# Altium PCB motor_driver_and_wireless_power_PCB.PcbDoc
Units mil, origin at the board's own origin, x right, y up, seen from the top; angles counter-clockwise.
Board outline 1758.94 x 1540 mil, 2 copper layers (Top Layer, Bottom Layer); 37 components, 25 nets, 119 pads, 12 vias.
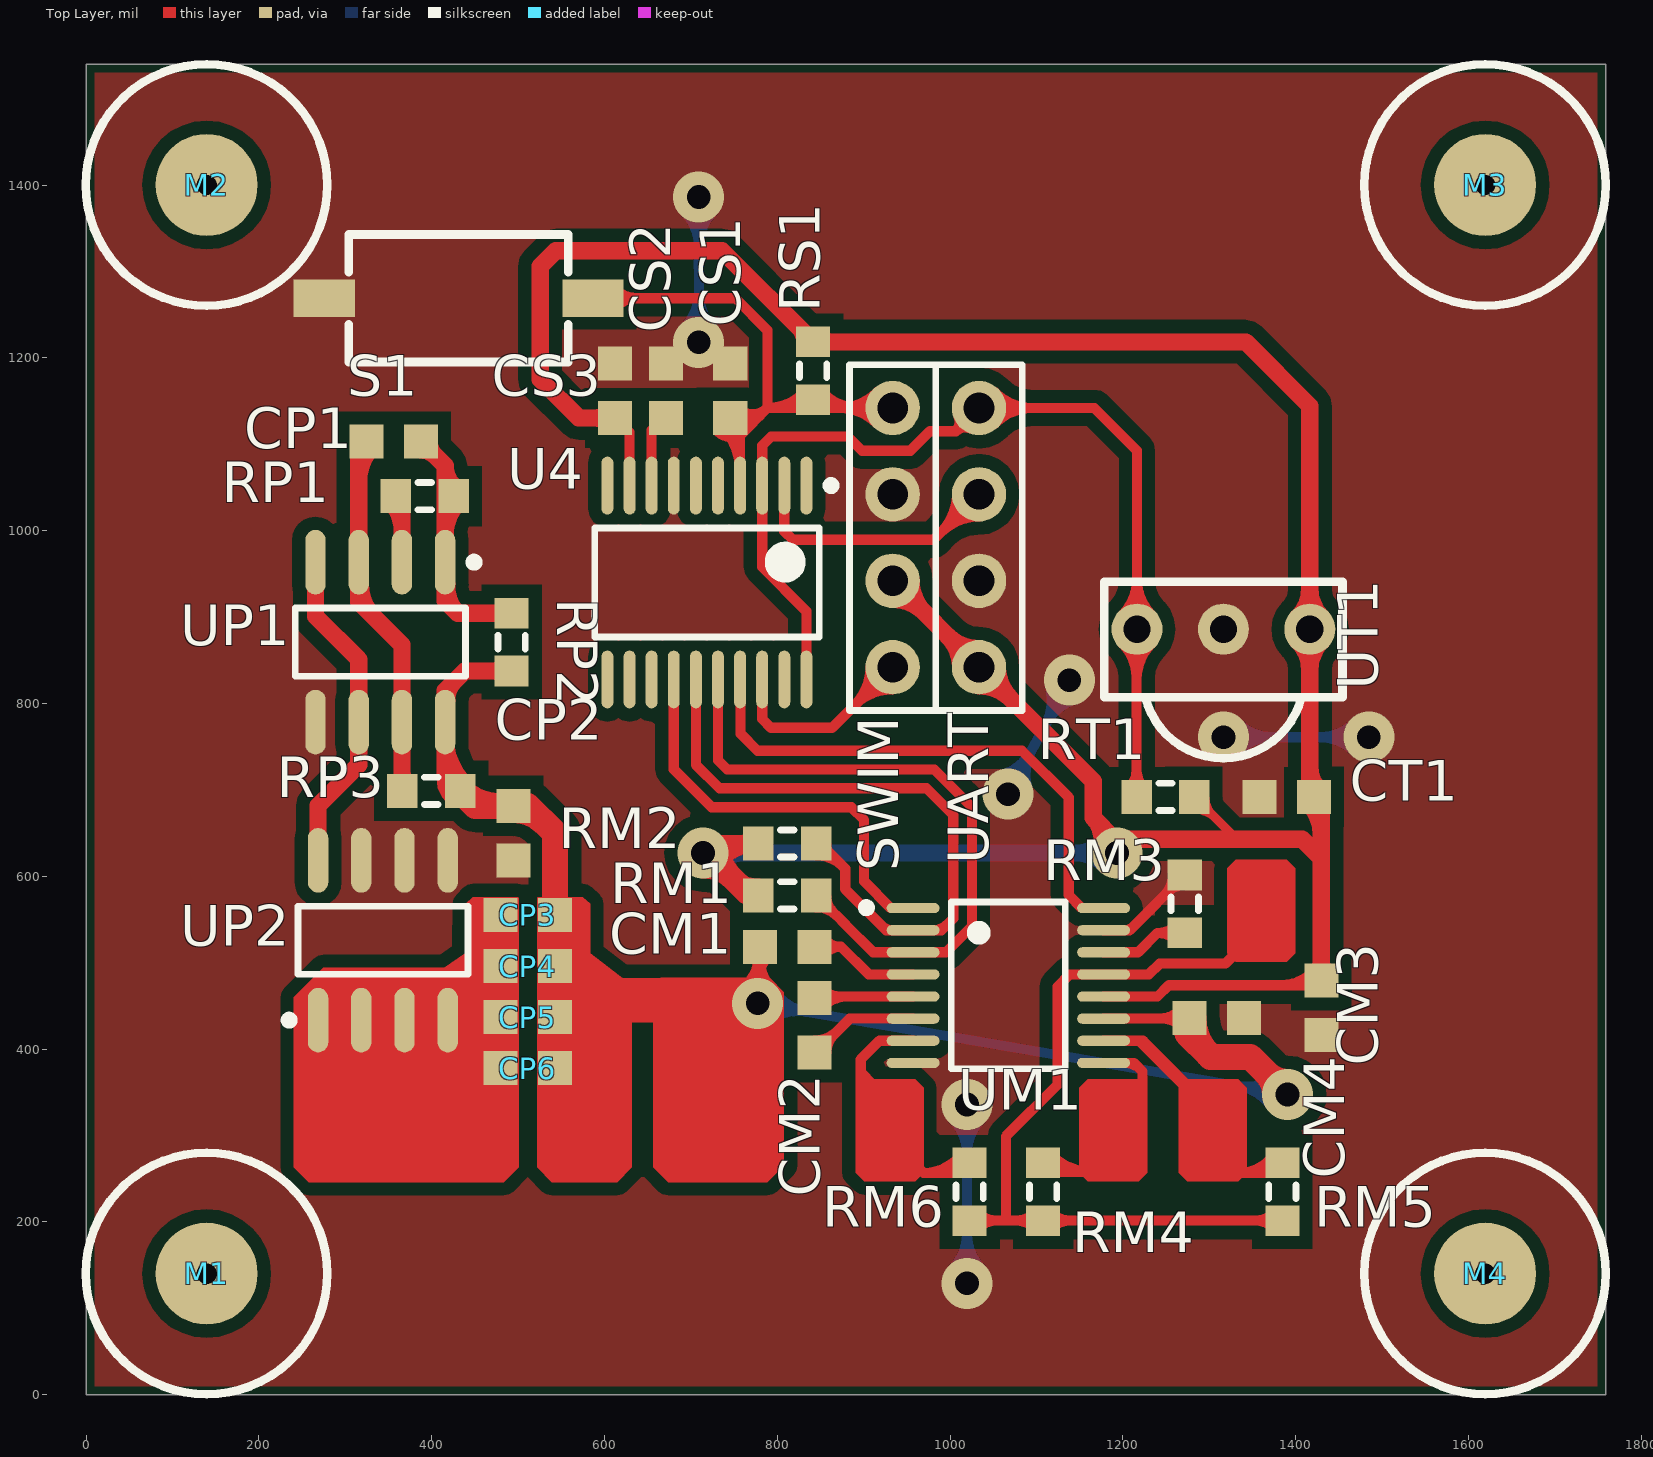
[diagram p0: Top Layer view]
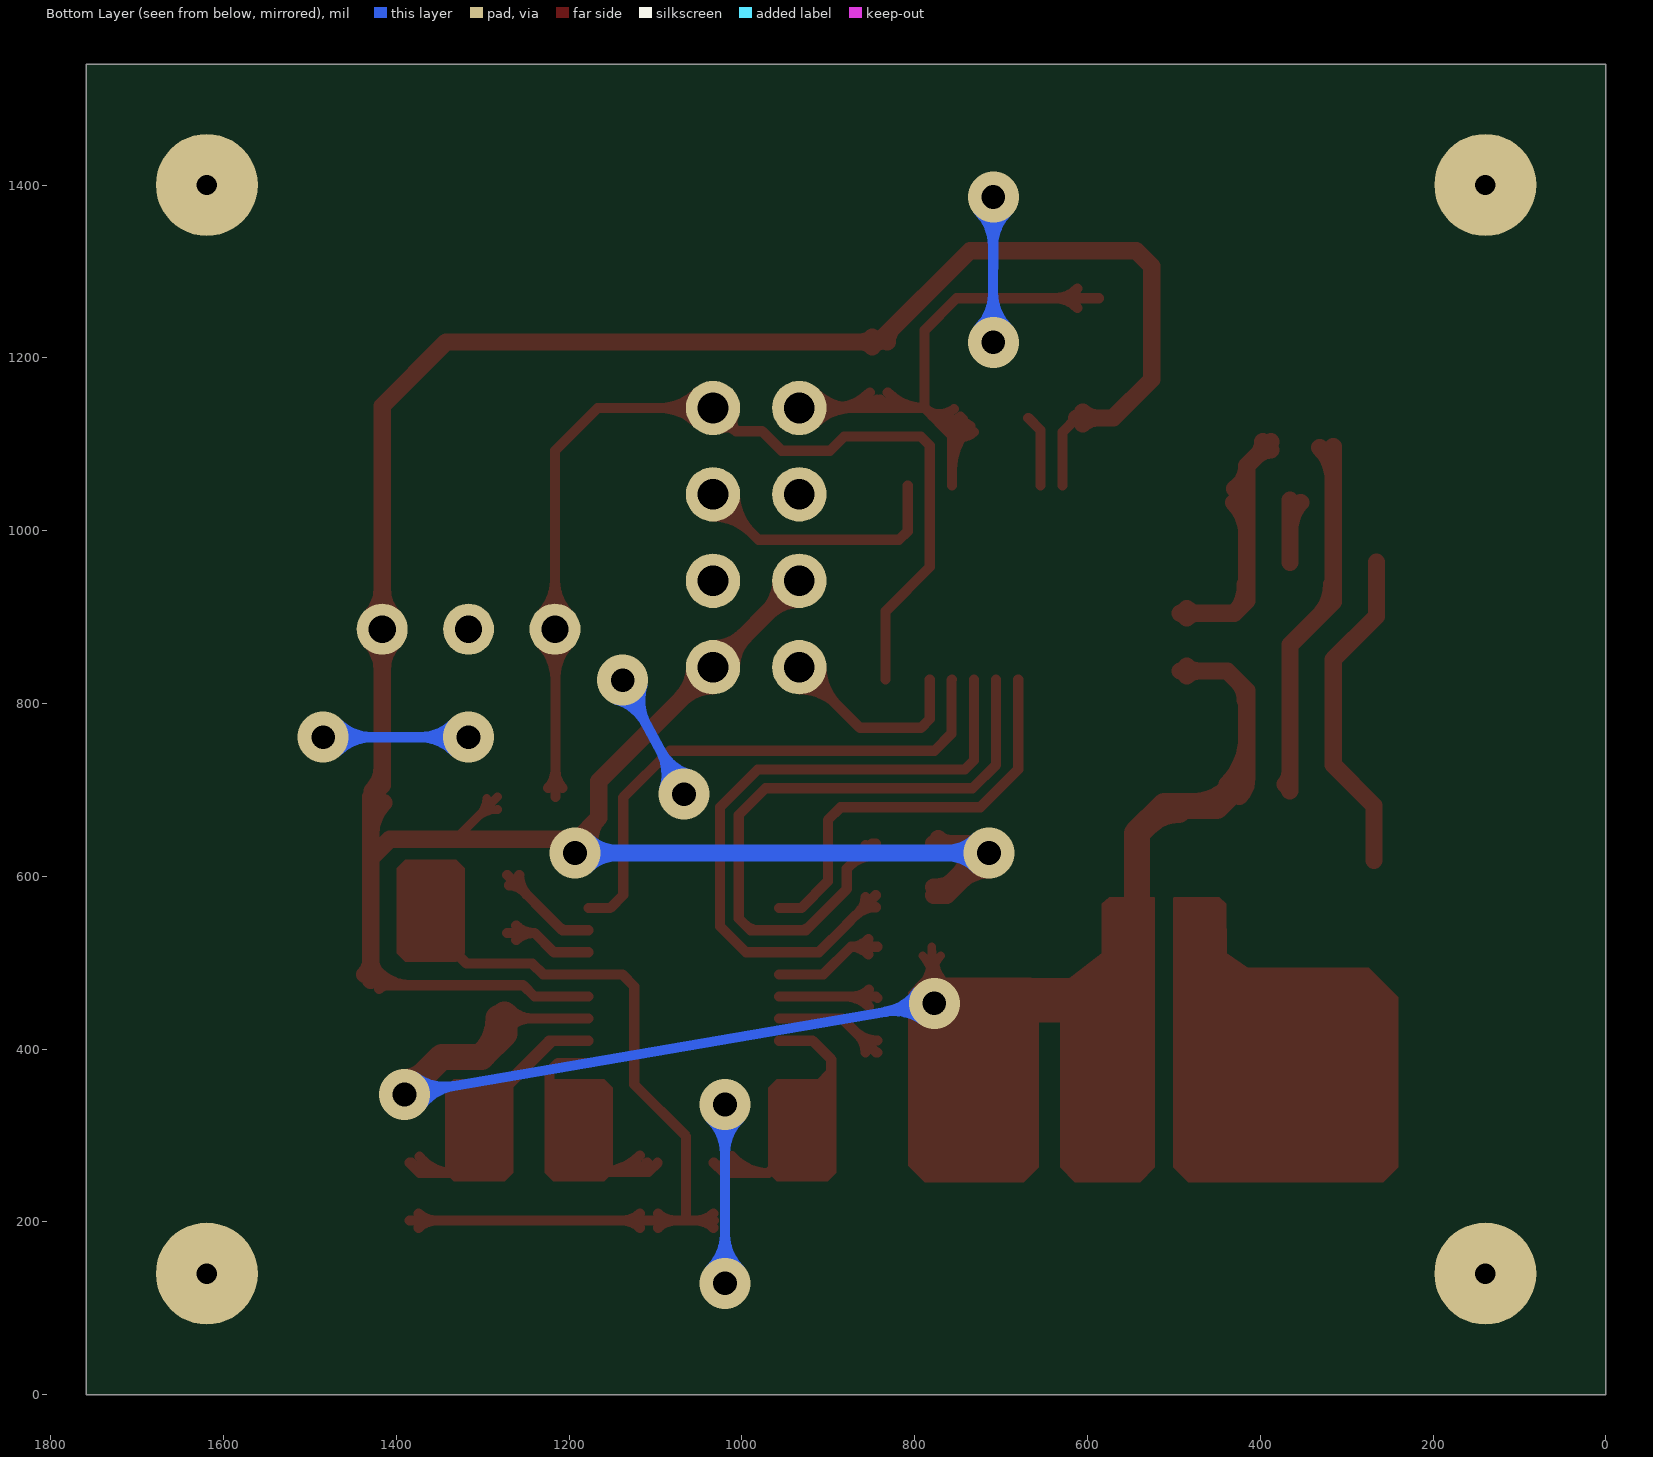
[diagram p1: Bottom Layer view, seen from below]

## Layer stack, top to bottom
Top Layer: signal copper 1.4
Dielectric: dielectric 12.6, FR-4, Dk 4.8
Bottom Layer: signal copper 1.4

## Board outline
0,0 0,1540 1758.94,1540 1758.94,0

## Design rules (kind name [scope] priority, off if disabled: settings)
Clearance Clearance_1 [InPolygon] p1: gap=15
Clearance [All] p2: gap=10
PolygonConnect [All] p1: connectstyle=Direct reliefconductorwidth=10 reliefentries=4 polygonreliefangle="90 Angle" airgapwidth=10
RoutingVias [All] p1: holewidth=28 width=50 viastyle="Through Hole" minholewidth=28 minwidth=50 maxholewidth=28 maxwidth=50
SolderMaskExpansion [All] p1: expansion=4
Width [All] p1: maxlimit=60 minlimit=10 preferedwidth=11.8
28 further rules are at their usual default settings.

## Classes and differential pairs
component class motor_driver: CM1 CM2 CM3 CM4 RM1 RM2 RM3 RM4 RM5 RM6 UM1
component class power: CP1 CP2 CP3 CP4 CP5 CP6 M1 M2 M3 M4 RP1 RP2 RP3 UP1 UP2
component class stm8s003f3: CS1 CS2 CS3 CT1 RS1 RT1 S1 SWIM U4 UART UT1

## Components (designator, comment, footprint, x,y, rotation, side; value= is the part's Value field where it differs from the comment)
CM1 "Cap1" CAPC1608N 811.68,518.44 r180 top
CM2 "Cap1" CAPC1608N 843.09,427.65 r270 top
CM3 "Cap1" CAPC1608N 1429.51,448 r270 top
CM4 "Cap1" CAPC1608N 1308.51,436 r0 top
CP1 "Cap1" CAPC1608N 356,1103 r0 top
CP2 "Cap1" CAPC1608N 494.51,650 r90 top
CP3 "Cap1" CAPC1608N 511.21,555.43 r0 top
CP4 "Cap1" CAPC1608N 511.21,496 r0 top
CP5 "Cap1" CAPC1608N 511.21,437 r0 top
CP6 "Cap1" CAPC1608N 511.21,378 r0 top
CS1 "Cap1" CAPC1608N 745.51,1162 r270 top
CS2 "Cap1" CAPC1608N 671.21,1162 r270 top
CS3 "Cap1" CAPC1608N 612.28,1162 r270 top
CT1 "Cap1" CAPC1608N 1389.51,692 r180 top
M1 "M" "TAPPING HOLE" 139.51,140.26 r0 top
M2 "M" "TAPPING HOLE" 139.51,1400.1 r0 top
M3 "M" "TAPPING HOLE" 1619.17,1400.1 r0 top
M4 "M" "TAPPING HOLE" 1619.17,140.26 r0 top
RM1 "Res1" RESC1608N 811.51,578 r180 top
RM2 "Res1" RESC1608N 811.51,638 r180 top
RM3 "Res1" RESC1608N 1271.51,568 r270 top
RM4 "Res1" RESC1608N 1107.51,235 r270 top
RM5 "Res1" RESC1608N 1384.51,235 r270 top
RM6 "Res1" RESC1608N 1022.51,235 r270 top
RP1 "Res1" RESC1608N 392,1040 r180 top
RP2 "Res1" RESC1608N 492.51,871 r270 top
RP3 "Res1" RESC1608N 399.51,699 r0 top
RS1 "Res1" RESC1608N 841.51,1185 r90 top
RT1 "Res1" RESC1608N 1249.25,692 r180 top
S1 "SW-PB" SW-3x6 275.61,1269 r0 top
SWIM "Header 4" HDR1X4 933.41,1142 r270 top
U4 "STM8S003F3" TSSOP20_N 718.51,940 r270 top
UART "Header 4" HDR1X4 1033.41,1142 r270 top
UM1 "DRV11873" TSSOP-16N 1082.09,473.65 r0 top
UP1 "XKT-412" SOP8_L 340.51,871 r270 top
UP2 "XKT-335" SOP8_L 343.51,526 r90 top
UT1 "HS0038" HS0038 1216.25,886 r0 top

## Footprints (in the part's own frame and the unit in brackets; to place one, negate y for a bottom-side part, rotate by r counter-clockwise, add the part's x,y. Pads: shape width x height; smd on the part's side, far side on the other; paste and mask are expansions set on the pad)
CAPC1608N [mm] "Chip Capacitor, Body 1.6x0.8mm, IPC Medium Density"
  rect 1x1 smd: 1(-0.8,0) 2(0.8,0)
  body extent -0.87,-0.48 0.87,0.48, height 0.85
HDR1X4 [mm] "Connector; Header; 4 Position"
  round 1.6 hole 0.9: 1(0,0) 2(2.54,0) 3(5.08,0) 4(7.62,0)
  silkscreen extent -1.27,-1.27 8.89,1.27
HS0038 [mm]
  round 1.5 hole 0.8: 1(0,0) 2(2.54,0) 3(5.08,0)
  silkscreen extent -0.96,-3.79 6.04,1.4
RESC1608N [mm] "Chip Resistor, Body 1.6x0.8mm, IPC Medium Density"
  rect 0.9x1 smd: 1(-0.85,0) 2(0.85,0)
  silkscreen extent -0.2,-0.4 0.2,0.4, body extent -0.85,-0.48 0.85,0.48, height 0.6
SOP8_L [mm] "SOIC, 8-Leads, Body 4.9x3.9mm, Pitch 1.27mm, IPC High Density"
  oval 1.9x0.6 smd: 1(-2.35,1.905) 2(-2.35,0.635) 3(-2.35,-0.635) 4(-2.35,-1.905) 5(2.35,-1.905) 6(2.35,-0.635) 7(2.35,0.635) 8(2.35,1.905)
  silkscreen extent -2.47,-2.5 1,2.88, body extent -2,-2.5 2,2.5, height 1.75
SW-3x6 [mm] "3x6x2.5mm"
  rect 1.8x1.1 smd: 1(0,0) 2(7.9,0)
  silkscreen extent 0.72,-1.88 7.18,1.88
"TAPPING HOLE" [mm] "M3"
  round 3 hole 0.6: 0(0,0)
  silkscreen extent -3.55,-3.55 3.55,3.55
TSSOP20_N [mm] "TSOP, 20-Leads, Body 6.5x4.4mm, Pitch 0.65mm, IPC Medium Density"
  oval 1.7x0.35 smd: 1(-2.85,2.925) 2(-2.85,2.275) 3(-2.85,1.625) 4(-2.85,0.975) 5(-2.85,0.325) 6(-2.85,-0.325) 7(-2.85,-0.975) 8(-2.85,-1.625) 9(-2.85,-2.275) 10(-2.85,-2.925) 11(2.85,-2.925) 12(2.85,-2.275) 13(2.85,-1.625) 14(2.85,-0.975) 15(2.85,-0.325) 16(2.85,0.325) 17(2.85,0.975) 18(2.85,1.625) 19(2.85,2.275) 20(2.85,2.925)
  silkscreen extent -2.97,-3.3 1.6,3.78, body extent -2.25,-3.3 2.25,3.3, height 1.1
TSSOP-16N [mm] "TSOP, 16-Leads, Body 5.00x4.40mm, Pitch 0.65mm, IPC Medium Density"
  oval 1.55x0.3 smd: 1(-3.175,2.275) 2(-3.175,1.625) 3(-3.175,0.975) 4(-3.175,0.325) 5(-3.175,-0.325) 6(-3.175,-0.975) 7(-3.175,-1.625) 8(-3.175,-2.275) 9(2.425,-2.275) 10(2.425,-1.625) 11(2.425,-0.975) 12(2.425,-0.325) 13(2.425,0.325) 14(2.425,0.975) 15(2.425,1.625) 16(2.425,2.275)
  silkscreen extent -4.67,-2.45 1.3,2.45, body extent -2.15,-2.45 1.4,2.45, height 1.2

## Part data
CM1 CM2 CM3 CM4 CP1 CP2 CP3 CP4 CP5 CP6 CS1 CS2 CS3 CT1: "Capacitor"
RM1 RM2 RM3 RM4 RM5 RM6 RP1 RP2 RP3 RS1 RT1: "Resistor"
S1: "Switch"
SWIM UART: "Header, 4-Pin"
UM1: "三相无传感器、 无刷直流 (BLDC) 电机驱动器"

## Via types
v1: diameter 59.06, hole 27.56, Top Layer to Bottom Layer, 12 vias

## Nets (pads, with @x,y where several pads share a name; then routed paths per layer and width w, separated by ;. In a path a pad name is that pad's centre, name@x,y a point inside that pad or via, vN(x,y) a via of type N, cw(c..) or ccw(c..) an arc to the next point about the centre after c; other vN are vias at no path point)
+5V: CM3.1 CS3.2 CT1.1 RM1.2 RM2.2 RS1.2 RT1.1 SWIM.3 U4.9 UART.4 UM1.12 UT1.3 | length 4724.5
  Top Layer w10: RT1.1@1282.72,677.32 cw(c1282.72,641.86) 1307.78,666.93 ; RT1.1 1331.72,643 1335.51,643 ; RT1.1@1295.43,690.03 ccw(c1321.38,690.03) 1303.03,671.68
  Top Layer w11.8: CS3.2 628.94,1113.84 U4.9 ; UM1.12 1240.01,460.85 1253.16,474 CM3.1@1420.01,474 ; 1382.96,474 ccw(c1382.96,526.04) CM3.1@1419.76,489.24 ; 1409.5,474 cw(c1409.5,459.48) CM3.1@1419.76,469.75
  Top Layer w20: CS3.2@605.43,1123.66 ccw(c588.9,1107.12) 588.9,1130.5 ccw(c588.9,1153.89) CS3.2@605.43,1137.35 ; CS3.2 570.01,1130.5 525.51,1175 525.51,1306 543.51,1324 735.98,1324 RS1.2 1342.05,1218.46 1416.25,1144.26 UT1.3 1416.25,705.26 1429.51,692 1429.51,621 ; v1@714,607.47 cw(c714,560.33) 747.34,593.66 cw(c780.67,627) v1@733.53,627 ; v1@729.17,614.7 cw(c778.04,575.08) RM2.2 725,638 v1(714,627) 763,578 RM1.2 ; v1@732.65,621.2 ccw(c747.7,616.52) 739.82,602.87 ; v1@732.92,631.83 ccw(c802.48,649.59) RM1.2@766.58,587.42 ; 735.83,605.17 ccw(c778.05,647.39) RM1.2@778.05,587.68 ; RM2.2@772.59,632.54 ccw(c759.42,619.37) 759.42,638 ccw(c759.42,656.63) RM2.2@772.59,643.46 ; RS1.2@824.98,1235 cw(c808.45,1218.46) RS1.2@831.83,1218.46 ; RS1.2@848.94,1213.01 cw(c862.11,1199.84) 862.11,1218.46 cw(c862.11,1237.09) RS1.2@848.94,1223.92 ; SWIM.3@933.41,920.5 cw(c933.41,868.61) 970.11,905.3 cw(c1006.8,942) SWIM.3@954.91,942 ; SWIM.3 UART.4 1165.51,709.9 1165.51,667.72 ; UART.4@1011.91,842 ccw(c960.02,842) 996.71,878.7 ccw(c1033.41,915.39) UART.4@1033.41,863.5 ; UART.4@1033.41,820.5 cw(c1033.41,768.61) 1070.11,805.3 cw(c1106.8,842) UART.4@1054.91,842 ; v1@1174.31,632.65 ccw(c1140.64,642.84) 1165.51,667.71 ; 1331.72,643 1190.23,643 1165.51,667.72 ; 1335.51,643 1407.51,643 1429.51,621 ; UT1.3@1402.44,872.19 cw(c1369.11,838.86) 1416.25,838.86 cw(c1463.39,838.86) UT1.3@1430.06,872.19 ; UT1.3@1402.44,899.81 ccw(c1369.11,933.14) 1416.25,933.14 ccw(c1463.39,933.14) UT1.3@1430.06,899.81 ; CT1.1@1414.16,685.15 cw(c1377.1,648.09) 1429.51,648.09 ; 1416.25,726.87 ccw(c1455.87,726.87) CT1.1@1427.86,698.85 ; CM3.1@1422.66,486.34 ccw(c1406.13,502.88) 1429.51,502.88 ccw(c1452.89,502.88) CM3.1@1436.36,486.34 ; CM3.1 1429.51,621
  Bottom Layer w20: v1(714,627) v1(1193,627) ; v1@727.81,613.19 cw(c761.14,579.86) 761.14,627 cw(c761.14,674.14) v1@727.81,640.81 ; v1@1179.19,613.19 ccw(c1145.86,579.86) 1145.86,627 ccw(c1145.86,674.14) v1@1179.19,640.81
COM: RM4.2 RM5.2 RM6.2 UM1.13 | length 1041.8
  Top Layer w11.8: RM6.2@1032.51,201.54 1064.51,201.54 ; RM6.2@1032.84,193.18 cw(c1053.01,173.01) 1053.01,201.54 cw(c1053.01,230.06) RM6.2@1032.84,209.89 ; RM4.2@1097.19,193.18 ccw(c1077.02,173.01) 1077.02,201.54 ccw(c1077.02,230.06) RM4.2@1097.19,209.89 ; RM4.2@1117.84,193.18 cw(c1138.01,173.01) 1138.01,201.54 cw(c1138.01,230.06) RM4.2@1117.84,209.89 ; 1325.43,505.87 1318.57,499 1242.51,499 1229.95,486.44 UM1.13 1138.46,486.44 1124.51,472.5 1124.51,359 1064.51,299 1064.51,201.54 ; RM5.2@1374.19,193.18 ccw(c1354.02,173.01) 1354.02,201.54 ccw(c1354.02,230.06) RM5.2@1374.19,209.89 ; RM5.2 1064.51,201.54
FG: RM2.1 U4.15 UM1.2 | length 832.8
  Top Layer w11.8: U4.15 705.72,729.16 733.08,701.8 972.71,701.8 1003.51,671 1003.51,551.1 990.03,537.62 UM1.2 926.11,537.62 878.59,585.14 878.59,608.92 849.51,638 RM2.1 ; RM2.1@844.98,624.22 cw(c844.98,579.99) 876.25,611.26 ; RM2.1@856.79,636.03 ccw(c869.62,636.03) RM2.1@860.55,626.96 ; 921.6,542.14 ccw(c932.48,553.02) UM1.2@932.48,537.63 ; UM1.2@981.69,537.63 ccw(c981.69,557.77) 995.94,543.53
FS: U4.14 UM1.1 | length 489.6
  Top Layer w11.8: U4.14@680.56,827.36 U4.14 680.13,723.92 724.05,680 885.51,680 900.39,665.12 900.39,594.17 931.35,563.21 UM1.1
GND: CM3.2 CM4.2 CP2.1 CS1.1 CS2.1 CS3.1 CT1.2 RM3.1 S1.1 SWIM.2 U4.7 UART.3 UM1.8 UM1.15 UP1.5 UP2.5 UP2.6 UP2.7 UT1.2 | length 1609.4
  Top Layer w11.8: UM1.15 1207.67,537.62 RM3.1 ; UM1.15@1202.17,537.63 ccw(c1202.17,550.93) 1211.57,541.52 ; 1247.98,577.93 ccw(c1224.45,601.46) RM3.1@1257.73,601.46 ; 1252.73,582.68 cw(c1269.54,565.87) RM3.1@1269.54,589.65
  Bottom Layer w11.8: v1@692.22,1234.65 ccw(c650.47,1276.14) 709.33,1276.33 ; v1@692.32,1369.24 cw(c652.12,1328.78) 709.16,1328.96 cw(c766.2,1329.14) v1@725.74,1369.35 ; v1@700.59,1226.34 ccw(c679.04,1247.75) 709.42,1247.84 ; v1(708.98,1386) v1@709.51,1218 ; 709.33,1273.76 ccw(c764.56,1273.93) v1@725.63,1234.76 ; v1@1002.8,145.71 ccw(c962.49,186.02) 1019.5,186.02 ccw(c1076.57,186.06) v1@1036.22,145.71 ; v1@1002.8,319.29 cw(c962.46,278.96) 1019.5,278.96 cw(c1076.55,278.96) v1@1036.21,319.29 ; v1(1019.51,129) v1(1019.5,336) ; v1@1060.18,717.62 ccw(c1043.73,772.24) 1093.99,745.25 ccw(c1144.24,718.27) v1@1089.62,701.82 ; v1(1067,695) v1(1137.88,827) ; v1@1115.26,820.18 cw(c1060.64,803.73) 1110.9,776.75 cw(c1161.15,749.76) v1@1144.7,804.38 ; v1(1316.25,761) v1(1484.51,761) ; v1@1332.96,744.29 cw(c1373.29,703.96) 1373.29,761 cw(c1373.29,818.04) v1@1332.96,777.71 ; v1@1467.8,744.29 ccw(c1427.47,703.96) 1427.47,761 ccw(c1427.47,818.04) v1@1467.8,777.71
  other v1: 708.98,1218
IR: RT1.2 U4.3 U4.20 UART.1 UT1.1 | length 1612.8
  Top Layer w11.8: U4.20 833.67,906.84 782.49,958.02 U4.3 782.49,1098.5 792.98,1109 881.51,1109 898.01,1092.5 954.01,1092.5 976.51,1115 1006.41,1115 ; UART.1@1009.79,1132.13 cw(c995.32,1126.09) 1006.41,1115 ; UART.1@1023.54,1118.38 ccw(c1017.5,1103.91) 1006.41,1115 ; UART.1@1043.16,1132.24 cw(c1066.72,1108.69) 1066.72,1142 cw(c1066.72,1175.31) UART.1@1043.16,1151.76 ; UART.1@1051.51,1123.9 cw(c1095.2,1080.21) 1095.2,1142 cw(c1095.2,1203.79) UART.1@1051.51,1160.1 ; UT1.1@1199.54,869.29 cw(c1160.33,830.08) 1215.79,830.08 ; UT1.1@1199.54,902.71 ccw(c1159.21,943.04) 1216.25,943.04 ccw(c1273.29,943.04) UT1.1@1232.96,902.71 ; RT1.2@1207.43,702.32 ccw(c1187.26,722.5) 1215.79,722.5 ccw(c1244.31,722.5) RT1.2@1224.14,702.32 ; RT1.2 1215.79,885.54 UT1.1 1216.25,1092.69 1166.94,1142 UART.1 1006.41,1115 ; 1215.79,827.84 cw(c1274.41,827.84) UT1.1@1232.96,869.29 ; 1215.79,856.32 cw(c1245.93,856.32) UT1.1@1224.61,877.64
NetCM1_1: CM1.1 UM1.4 | length 172.8
  Top Layer w11.8: CM1.1 873.71,518.44 ; CM1.1@853.52,509.33 cw(c873.7,491.54) 873.7,518.44 ; CM1.1@853.52,527.56 ccw(c873.7,545.34) 873.7,518.44 ; UM1.4 905.71,486.44 873.71,518.44
NetCM2_1: CM2.1 UM1.5 | length 167
  Top Layer w11.8: CM2.1 844.8,460.85 UM1.5 ; CM2.1@852.83,449.39 cw(c880.49,421.74) 880.49,460.85 ; CM2.1@852.83,468.89 ccw(c872.24,488.3) 872.24,460.85
NetCM2_2: CM2.2 UM1.6 | length 182.5
  Top Layer w11.8: CM2.2 844.59,396.15 883.7,435.26 UM1.6 ; CM2.2@843.09,409.93 ccw(c843.09,446.85) 869.19,420.75 ; CM2.2@856.87,396.15 cw(c886.52,396.15) 865.56,417.12
NetCP1_1: CP1.1 RP3.1 UP1.3 UP1.7 | length 519.4
  Top Layer w20: 315.51,1057.91 cw(c369.59,1057.91) CP1.1@331.35,1096.15 ; CP1.1@315.51,1097.5 UP1.3 315.51,917.87 365.51,867.87 UP1.7 365.51,699.54 RP3.1 ; UP1.3@317.32,937.93 ccw(c370.11,937.93) 332.78,900.6 ; 365.51,720.89 ccw(c385.97,720.89) RP3.1@371.5,706.42
NetCP1_2: CP1.2 RP1.1 RP2.1 UP1.1 | length 454.1
  Top Layer w20: CP1.2@387.5,1093.32 cw(c387.5,1069.93) 404.03,1086.47 cw(c420.56,1103) CP1.2@397.18,1103 ; CP1.2 415.51,1074.98 ; UP1.1@415.51,995.37 cw(c468.12,995.37) RP1.1@430.92,1032.58 ; UP1.1@417.32,937.83 ccw(c460.94,935.36) 430.05,904.47 ; RP1.1@429.74,1048.39 cw(c447.47,1074.98) 415.51,1074.98 ; RP2.1@485.09,899.01 ccw(c471.91,885.84) 471.91,904.46 ccw(c471.91,923.09) RP2.1@485.09,909.92 ; RP2.1 430.05,904.46 ; 415.51,1074.98 UP1.1 415.51,919 430.05,904.46
NetCP3_1: CP3.1 CP4.1 CP5.1 CP6.1 UP2.1 UP2.2 UP2.3 UP2.4
NetCS2_2: CS2.2 U4.8 | length 84.1
  Top Layer w11.8: U4.8 654.54,1116.53 CS2.2@668.51,1130.5
NetRM3_2: RM3.2 UM1.14 | length 148.1
  Top Layer w11.8: UM1.14 1217.54,512.03 1240.05,534.54 RM3.2 ; RM3.2@1261.19,526.18 ccw(c1241.02,506.01) 1241.02,534.54 ccw(c1241.02,563.06) RM3.2@1261.19,542.89
NetRP1_2: RP1.2 UP1.2 | length 105.3
  Top Layer w20: RP1.2@353.08,1032.58 cw(c323.06,1002.56) 365.51,1002.56 ; UP1.2 RP1.2@365.51,1035.46
NetUP1_4: UP1.4 UP1.6 UP2.8 | length 385.2
  Top Layer w20: UP1.4 265.51,901 315.51,851 UP1.6 315.51,729 268.51,682 UP2.8
NRST: CS1.2 RS1.1 S1.2 SWIM.1 U4.4 | length 1143.4
  Top Layer w11.8: S1.2 751.51,1269 788.51,1232 788.51,1142 ; S1.2@611.56,1257.86 cw(c638.45,1230.97) 638.45,1269 cw(c638.45,1307.03) S1.2@611.56,1280.14 ; CS1.2@731.27,1114.24 ccw(c745.98,1131.04) CS1.2@761.76,1115.25 ; CS1.2@735.76,1120.76 cw(c684.74,1069.74) U4.4@756.9,1069.74 ; CS1.2@739.05,1123.12 ccw(c754.3,1140.54) 770.68,1124.17 ; CS1.2@744.11,1129.1 cw(c713.23,1098.22) 756.9,1098.22 ; CS1.2@746.82,1132 ccw(c762.63,1150.05) 779.6,1133.08 ; CS1.2@754.59,1140.88 ccw(c770.95,1159.56) 788.51,1142 ; U4.4 756.9,1110.39 788.51,1142 ; 816.72,1142 ccw(c816.72,1174.04) RS1.1@839.53,1151.55 ; RS1.1@831.13,1159.83 cw(c788.51,1201.84) 788.51,1142 ; RS1.1@843.49,1151.55 ccw(c866.54,1174.6) 866.54,1142 ; RS1.1@851.84,1159.89 ccw(c895.03,1203.08) 895.03,1142 ; SWIM.1@915.31,1123.9 ccw(c871.62,1080.21) 871.62,1142 ccw(c871.62,1203.79) SWIM.1@915.31,1160.1 ; SWIM.1@923.65,1132.24 ccw(c900.1,1108.69) 900.1,1142 ccw(c900.1,1175.31) SWIM.1@923.65,1151.76 ; SWIM.1 788.51,1142
PWM: U4.17 UM1.16 | length 632.8
  Top Layer w11.8: U4.17 757.51,827.18 757.51,765 777.11,745.4 1083.11,745.4 1137.2,691.31 1137.2,578.43 1152.43,563.21 UM1.16
RD: RM1.1 U4.16 UM1.3 | length 813.1
  Top Layer w11.8: U4.16 731.31,734.4 742.11,723.6 981.74,723.6 1025.31,680.03 1025.31,542.07 995.27,512.03 UM1.3 910.94,512.03 878.77,544.21 878.77,544.71 869.45,554.03 868.95,554.03 RM1.1 ; RM1.1@844.98,564.22 cw(c844.98,530.94) 868.51,554.47 ; RM1.1@856.79,576.03 ccw(c880.57,576.03) 863.76,559.22
SWIM: SWIM.4 U4.18 | length 379.2
  Top Layer w11.8: U4.18 782.49,782.02 792.51,772 863.41,772 SWIM.4 ; SWIM.4@907.81,842 cw(c846.02,842) 889.71,798.3 cw(c933.41,754.61) SWIM.4@933.41,816.4 ; SWIM.4@919.61,842 cw(c886.31,842) 909.86,818.45 cw(c933.41,794.9) SWIM.4@933.41,828.2
TX: U4.2 UART.2 | length 453.4
  Top Layer w11.8: U4.2 808.08,999.43 818.12,989.4 980.81,989.4 UART.2 ; UART.2@1007.81,1042 cw(c946.02,1042) 989.71,998.3 cw(c1033.41,954.61) UART.2@1033.41,1016.4 ; UART.2@1019.61,1042 cw(c986.31,1042) 1009.86,1018.45 cw(c1033.41,994.9) UART.2@1033.41,1028.2
U: RM5.1 UM1.10 | length 313
  Top Layer w11.8: UM1.10 1222.84,409.67 ; 1315.51,276 1334.72,256.79 ; 1358.74,256.79 ccw(c1358.74,286.84) RM5.1@1382.53,268.47 ; RM5.1@1373.19,275.69 cw(c1334.73,305.38) 1334.73,256.79 ; RM5.1 1372.83,256.79 1334.72,256.79
  Top Layer w15: 1222.51,408 1303.18,327.33
V: RM4.1 UM1.9 | length 262.1
  Top Layer w11.8: RM4.1@1097.51,268.46 1107.98,258 1175.51,258 ; RM4.1@1109.49,268.48 ccw(c1134.78,293.77) 1134.78,258 ; RM4.1@1117.84,276.82 ccw(c1163.27,322.26) 1163.27,258 ; UM1.9 1212.69,384.08 1222.51,374.25 1222.51,342 ; UM1.9@1202.17,384.07 cw(c1202.17,358.66) 1220.14,376.63
VCC: CM1.2 CM4.1 CP2.2 CP3.2 CP4.2 CP5.2 CP6.2 RP2.2 RP3.2 UM1.11 UP1.8 | length 2124.6
  Top Layer w10: v1@760.06,470.51 ccw(c713.07,518.44) CM1.2 780.19,455.95 v1(777.24,453) ; v1@767.06,463.37 ccw(c736.42,494.62) 780.19,494.62 ; CM1.2@769.8,508.06 cw(c744.74,482.99) 780.19,482.99 cw(c815.64,482.99) CM1.2@790.57,508.06 ; CM1.2@780.19,505.09 ccw(c829.32,505.09) v1@794.58,470.34
  Top Layer w11.8: UM1.11 1269.28,435.26 CM4.1@1270.02,436 ; 1241.95,435.26 ccw(c1241.95,471.07) CM4.1@1267.27,445.75 ; 1245.52,435.26 cw(c1245.52,404.51) CM4.1@1267.27,426.25
  Top Layer w20: RP3.2@415.51,713.48 ccw(c445.48,713.48) RP3.2@424.29,692.28 ; UP1.8@415.51,761.76 ccw(c493.77,761.76) RP3.2@438.43,706.42 ; UP1.8@417.32,804.07 cw(c448.08,804.07) 426.33,825.82 ; RP3.2 415.51,716.46 UP1.8 415.51,815 438.05,837.54 RP2.2 ; RP2.2@485.09,832.08 ccw(c471.91,818.91) 471.91,837.54 ccw(c471.91,856.16) RP2.2@485.09,842.99
  Top Layer w30: RP3.2 450.48,681.5 CP2.2 510.76,681.5 542.71,649.55 CP3.2 ; RP3.2@434.9,698.95 ccw(c477.04,741.1) CP2.2@477.04,681.5 ; CP2.2@494.51,676.81 cw(c494.51,626.26) 530.25,662.01 ; CM4.1@1274.61,440 1274.61,417.82 1301.43,391 1347.13,391 v1(1390.51,347.62) ; CM4.1@1281.7,436 ccw(c1342.7,436) 1299.57,392.87 ; v1@1375.98,347.62 ccw(c1340.91,347.62) 1365.71,372.42 ccw(c1390.51,397.22) v1@1390.51,362.15
  Bottom Layer w11.8: v1(777.24,453) v1(1390.51,347.62) ; v1@790.87,433.7 cw(c823.79,387.12) 833.45,443.34 cw(c843.11,499.56) v1@796.53,466.64 ; v1@1371.22,333.99 ccw(c1324.63,301.06) 1334.29,357.28 ccw(c1343.95,413.5) v1@1376.88,366.92
W: RM6.1 UM1.7 | length 276.5
  Top Layer w11.8: 896.51,341 896.51,388.07 918.11,409.67 UM1.7 ; 958.51,266 959.98,266 969.33,256.65 ; 994.91,256.65 ccw(c994.91,290.33) RM6.1@1020.53,268.48 ; RM6.1@1011.55,276.13 cw(c969.33,312.15) 969.33,256.65 ; RM6.1@1032.51,268.46 1020.7,256.65 969.33,256.65
pads on no net: M1.0 M2.0 M3.0 M4.0 U4.1 U4.5 U4.6 U4.10 U4.11 U4.12 U4.13 U4.19

## Polygon pours and split planes (outlines as drawn)
GND on Top Layer "Bottom Layer-No Net" (solid, remove dead copper, pour order 2): 10,1530 10,10 1749,10 1749,1530

## Other copper
Top Layer:
  rectangle net VCC: 604.51,431 676.51,482.45
  region net W: 900.43,246.81 890.59,256.65 890.59,355.08 900.43,364.92 959.49,364.92 969.33,355.08 969.33,256.65 959.49,246.81
  region net W: 913.51,364 901.51,376 901.51,364
  region net U: 1274.61,246.94 1264.77,256.79 1264.77,355.21 1274.61,365.06 1333.67,365.06 1343.51,355.21 1343.51,256.79 1333.67,246.94
  region net V: 1159.35,246.81 1149.51,256.65 1149.51,355.08 1159.35,364.92 1218.41,364.92 1228.25,355.08 1228.25,256.65 1218.41,246.81
  region net COM: 1389.41,619.06 1399.25,609.21 1399.25,510.79 1389.41,500.94 1330.35,500.94 1320.51,510.79 1320.51,609.21 1330.35,619.06
  region net NetCP3_1: 499.51,576 447.51,576 439.51,568 438.94,510.79 414.51,494 274.51,494 240.51,460 240.51,263 257.51,246 483.51,246 500.51,263 500.51,575
  region net VCC: 522.91,576 574.91,576 583.51,568 583.49,510.79 631.51,473.86 631.51,263 614.51,246 538.91,246 521.91,263 521.91,575
  region net VCC: 665.1,482.45 656.51,473.86 656.51,263 673.51,246 788.51,246 807.51,265 807.51,466 791.06,482.45

## Silkscreen, mask and mechanical layers (free items; w line width, h text height)
Mechanical 1:
  the board outline again, w10